# Altium PCB MLB_REV1.PcbDoc (part 2 of 3)
Units mm, origin at the board's own origin, x right, y up, seen from the top; angles counter-clockwise.
Board outline 150 x 100 mm, 2 copper layers (Top Layer, Bottom Layer); 244 components, 218 nets, 948 pads, 549 vias.
Unrouted connection lines stored in the file: 5.
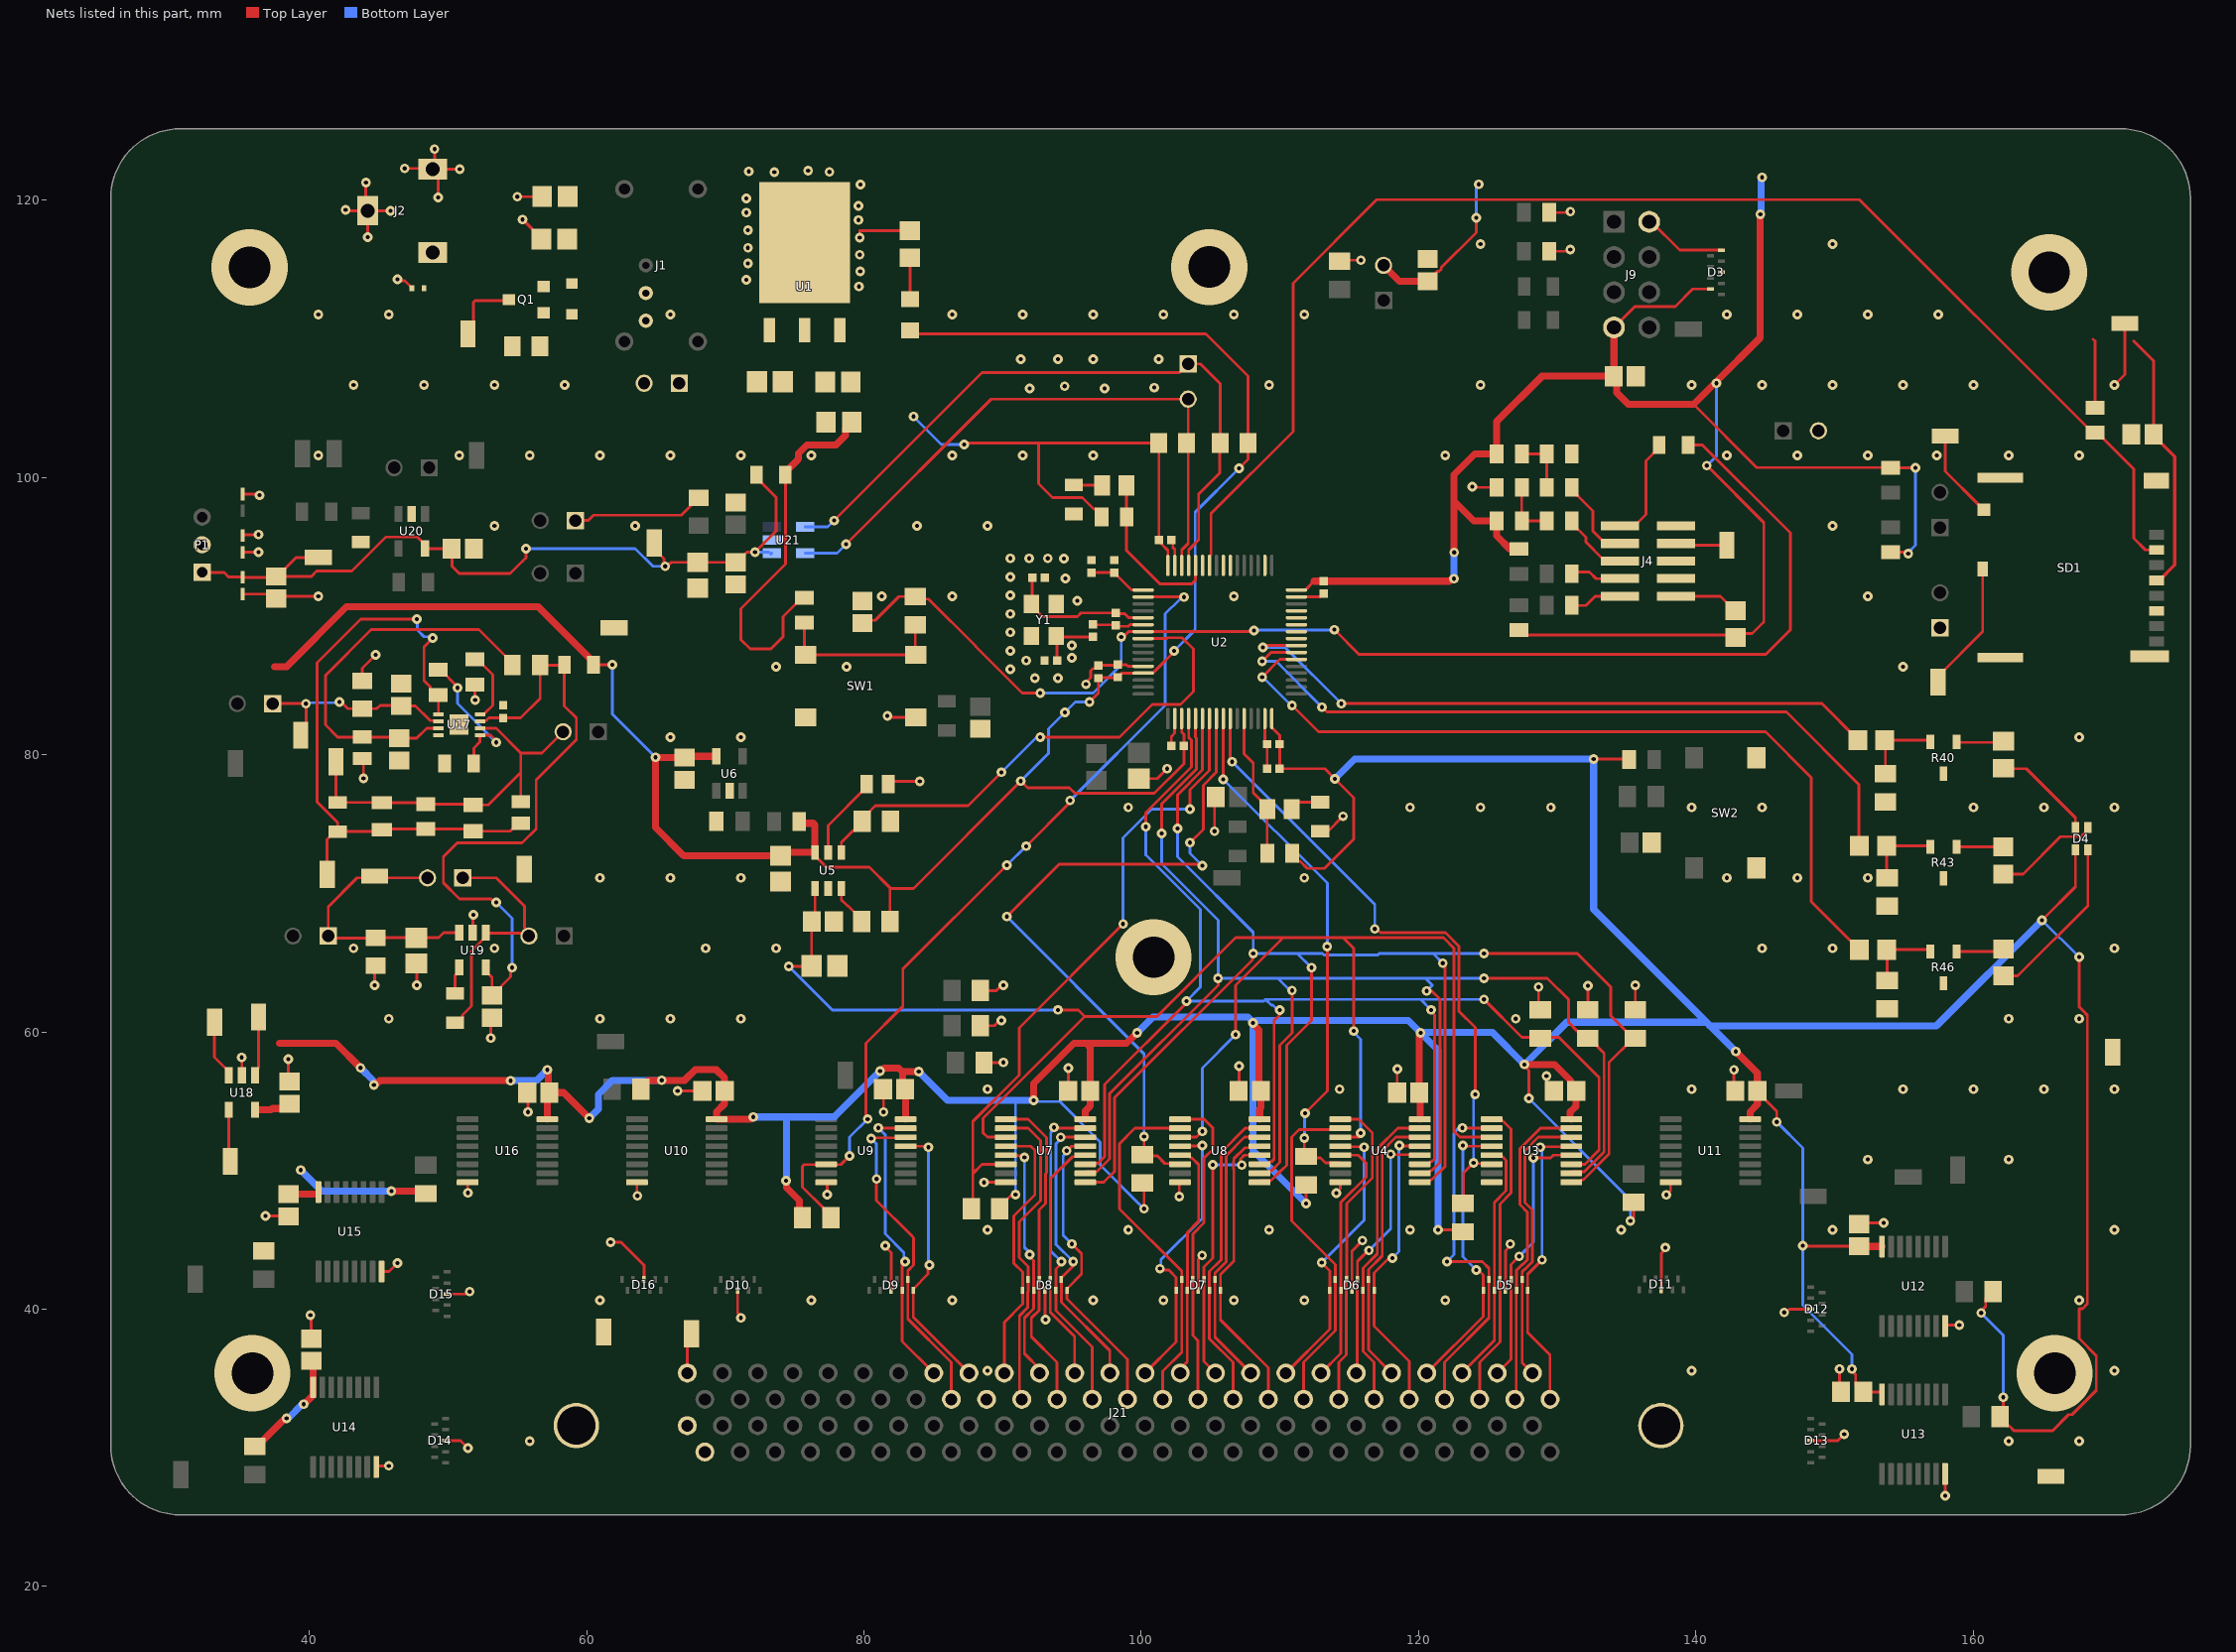
[diagram p2: the nets of this part, all layers, seen from the top]

## Via types
v1: diameter 0.7, hole 0.3, Top Layer to Bottom Layer, tented both sides, 542 vias
v2: diameter 5.5, hole 3, Top Layer to Bottom Layer, tented both sides, 6 vias
v3: diameter 0.5, hole 0.2, Top Layer to Bottom Layer, tented both sides, 1 vias

## Nets (pads, with @x,y where several pads share a name; then routed paths per layer and width w, separated by ;. In a path a pad name is that pad's centre, name@x,y a point inside that pad or via, vN(x,y) a via of type N, cw(c..) or ccw(c..) an arc to the next point about the centre after c; other vN are vias at no path point) (continued)
GND: C1.2 C2.2 C3.2 C4.2 C5.2 C6.2 C7.2 C8.2 C9.2 C10.2 C11.2 C12.2 C13.2 C14.2 C15.2 C16.2 C17.2 C18.2 C19.2 C20.2 C21.2 C22.2 C23.2 C24.2 C25.2 C26.2 C27.2 C28.2 C29.2 C30.2 C31.2 C32.2 C33.2 C34.2 C35.2 C36.2 C37.2 C38.2 C39.2 C40.1 C41.1 C42.1 C43.2 C44.2 C45.2 C46.2 C47.1 C48.2 C49.2 C50.2 C51.2 D1.2 D3.3 D3.5 D5.3 D6.3 D7.3 D8.3 D9.3 D10.3 D11.3 D12.3 D13.3 D14.3 D15.3 D16.3 D17.2 D18.1 D18.2 D19.2 J2.2 J2.3 J4.3 J4.5 J4.9 J9.2 J10.1 J21.33 J21.101 J21.102 J32.2 P1.2 R11.1 R12.2 R13.1 R14.1 R17.1 R20.1 R25.1 R29.1 R30.1 R40.3 R42.1 R43.3 R45.1 R46.3 R48.1 R51.1 R52.1 R53.1 R56.1 R58.1 R61.2 R72.1 R73.1 R74.1 R102.2 R103.1 R106.1 R107.1 R115.1 R119.1 SD1.6 SD1.11 SD1.12 SD1.13 SD1.14 SW1.3 SW1.4 SW2.3 SW2.4 TP68.1 TP70.1 TP189.1 U1.2 U1.4 U2.12 U2.18 U2.31 U2.47 U2.63 U3.8 U4.8 U5.2 U6.2 U7.8 U8.8 U9.8 U10.8 U11.8 U12.8 U13.8 U14.8 U15.8 U16.8 U17.4 U17.9 U18.2 U19.2 U20.2 U21.2 Y1.2 Y1.4 | length 166.2
  Top Layer w0.203: v1(35.117,58.165) 35.128,58.154 U18.2@35.128,56.876 ; D19.2@35.179,91.602 37.592,91.602 C42.1@37.592,91.44 ; D18.1@35.179,94.615 v1(36.322,94.615) ; D18.2@35.179,95.815 35.179,95.837 35.227,95.885 v1(36.322,95.885) ; D17.2@35.179,98.806 36.407,98.806 v1(36.407,98.727) ; v1(36.83,46.736) 38.442,46.736 C33.2@38.481,46.697 ; C42.1@37.592,91.274 C42.1@37.592,91.44 ; v1(38.481,58.039) 38.481,56.503 C47.1@38.557,56.427 ; v1(40.065,39.573) 40.132,39.505 C32.2@40.132,37.873 ; v1(40.64,91.44) C42.1@37.592,91.44 ; v1(42.611,119.315) 42.673,119.253 J2.3@44.195,119.253 ; R107.1@43.815,79.73 43.898,79.647 v1(43.898,78.296) ; R106.1@43.815,85.328 43.815,86.251 v1(44.773,87.209) ; v1(44.069,121.285) 44.069,119.379 J2.3@44.195,119.253 ; v1(44.196,117.348) J2.3@44.195,119.253 J2.3@44.195,119.253 ; v1(44.704,63.373) 44.704,64.71 R115.1@44.78,64.786 ; U14.8@44.82,28.626 44.896,28.702 v1(45.72,28.702) ; U15.8@45.201,42.723 45.75,42.723 v1(46.354,43.327) ; v1(45.847,119.253) J2.3@44.195,119.253 ; v1(46.355,114.3) 46.45,114.205 46.883,114.205 47.385,113.702 D1.2@47.385,113.665 ; v1(46.863,122.301) 48.847,122.301 J2.2@48.895,122.253 ; C50.2@47.701,64.95 47.752,64.9 v1(47.752,63.373) ; v1(49.022,123.698) 49.022,122.38 J2.2@48.895,122.253 ; v1(49.278,120.218) 49.278,121.87 J2.2@48.895,122.253 ; D14.3@49.822,30.518 50.889,30.518 v1(51.435,29.972) ; D15.3@49.911,41.097 51.25,41.097 51.428,41.275 v1(51.562,41.275) ; v1(50.841,122.255) 50.84,122.253 J2.2@48.895,122.253 ; U16.8@51.41,49.16 51.41,48.407 v1(51.429,48.388) ; U19.2@51.765,67.163 51.791,67.188 51.791,68.428 v1(51.816,68.453) ; v1(51.943,83.947) R103.1@51.943,85.079 ; v1(53.086,59.563) 53.086,60.96 C40.1@53.162,61.036 ; v1(54.991,120.269) C1.2@56.769,120.269 ; v1(55.372,118.618) 55.386,118.618 56.732,117.272 C2.2@56.732,117.221 ; C34.2@55.702,55.626 55.753,55.677 v1(55.753,54.229) ; v1(61.722,44.831) 62.474,44.831 64.135,43.17 D16.3@64.135,42.164 ; U10.8@63.622,49.16 63.622,48.205 v1(63.65,48.177) ; v1(66.548,55.753) C28.2@68.346,55.753 ; D10.3@70.883,41.354 70.883,39.741 71.12,39.504 v1(71.12,39.37) ; U9.8@77.267,49.16 77.343,49.084 v1(77.343,48.26) ; v1(79.692,117.307) 79.692,117.816 R12.2@83.312,117.816 ; C27.2@81.368,55.88 81.407,55.841 v1(81.407,54.229) ; v1(81.534,44.577) 81.534,44.503 81.96,44.077 D9.3@81.96,41.354 ; v1(81.686,82.818) 81.791,82.713 SW1.4@83.731,82.713 ; R58.1@81.745,77.882 81.943,78.08 v1(84.014,78.08) ; R73.1@88.401,60.452 89.401,60.452 89.782,60.833 v1(89.916,60.833) ; R74.1@88.401,62.992 89.528,62.992 89.909,63.373 v1(90.043,63.373) ; v1(88.646,49.149) 88.652,49.155 90.216,49.155 U7.8@90.221,49.16 ; R72.1@88.655,57.785 90.021,57.785 v1(90.043,57.807) ; D8.3@93.037,41.354 93.06,41.33 93.06,39.274 v1(93.091,39.243) ; C25.2@94.718,55.753 94.742,55.777 v1(94.742,57.404) ; v1(96.012,85.09) 96.012,85.224 96.347,85.559 96.347,86.06 96.52,86.233 96.703,86.233 C48.2@96.901,86.431 ; C48.2@96.937,86.467 98.262,86.467 C49.2@98.298,86.502 98.918,86.502 99.032,86.388 U2.12@100.139,86.388 ; C39.2@99.822,78.285 101.145,78.285 v1(101.854,78.994) ; C13.2@102.164,80.645 102.164,81.317 102.405,81.558 102.405,81.921 102.405,82.604 U2.18@102.414,82.613 ; C12.2@102.179,95.504 102.27,95.414 102.27,94.961 102.414,94.817 U2.63@102.414,93.663 ; v1(102.743,48.133) 102.743,49.109 U8.8@102.794,49.16 ; D7.3@104.114,41.354 104.114,43.61 v1(104.391,43.887) ; v1(105.285,74.494) 105.285,76.876 C38.2@105.371,76.962 ; C26.2@107.022,55.753 107.061,55.792 v1(107.061,57.531) ; U2.31@108.914,82.613 108.923,82.604 108.923,80.927 C10.2@109.078,80.772 C14.2@109.078,78.994 ; U2.47@111.189,91.388 112.922,91.388 C11.2@113.157,91.623 ; R17.1@112.903,74.481 113.457,74.481 v1(114.545,75.569) ; v1(114.075,48.385) 114.173,48.483 114.173,48.514 114.351,48.692 U4.8@114.351,49.16 ; R20.1@114.3,115.627 114.362,115.689 v1(115.837,115.689) ; D6.3@115.191,41.354 115.191,44.198 v1(115.951,44.958) ; C21.2@118.452,55.626 118.452,57.316 v1(118.463,57.327) ; v1(123.882,99.338) 123.932,99.288 R13.1@125.64,99.288 ; D5.3@126.268,41.354 126.268,44.219 126.619,44.57 v1(126.619,44.704) ; v1(128.651,63.246) 128.651,61.722 R51.1@128.778,61.595 ; v1(129.221,56.831) 129.221,56.299 C20.2@129.767,55.753 ; R30.1@129.413,116.332 130.937,116.332 v1(130.937,116.459) ; R29.1@129.413,119.126 130.951,119.126 v1(130.951,119.194) ; R52.1@132.207,61.595 132.207,63.321 v1(132.219,63.333) ; R53.1@135.636,61.595 v1(135.636,63.373) ; J9.2@136.632,118.453 136.782,118.453 138.827,116.408 D3.5@141.859,116.408 ; D11.3@137.503,41.402 137.503,44.024 137.795,44.316 v1(137.795,44.45) ; v1(137.868,48.255) 138.176,48.563 U11.8@138.176,49.16 ; v1(142.748,57.277) 142.748,55.841 C29.2@142.836,55.753 ; v1(146.365,39.764) 146.499,39.764 146.74,40.005 D12.3@148.298,40.005 ; D13.3@148.298,30.518 150.233,30.518 150.691,30.975 v1(150.702,30.975) ; v1(150.368,35.687) 150.368,34.139 C31.2@150.471,34.036 ; C30.2@151.765,46.14 151.853,46.228 v1(153.543,46.228) ; U13.8@157.977,28.118 157.983,28.113 157.983,26.549 v1(157.988,26.543) ; U12.8@157.977,38.786 158.053,38.862 v1(159.004,38.862) ; v1(170.18,106.68) 170.942,107.442 TP70.1@170.942,111.125
  other v1: 55.88,30.48 162.56,30.48 167.64,30.48 88.9,35.56 139.7,35.56 170.18,35.56 60.96,40.64 76.2,40.64 86.36,40.64 96.52,40.64 101.6,40.64 106.68,40.64 111.76,40.64 121.92,40.64 167.64,40.64 99.06,45.72 109.22,45.72 119.38,45.72 134.62,45.72 149.86,45.72 170.18,45.72 152.4,50.8 162.56,50.8 88.9,55.88 114.3,55.88 139.7,55.88 154.94,55.88 160.02,55.88 165.1,55.88 170.18,55.88 45.72,60.96 60.96,60.96 66.04,60.96 71.12,60.96 127,60.96 162.56,60.96 167.64,60.96 43.18,66.04 53.34,66.04 68.58,66.04 73.66,66.04 144.78,66.04 149.86,66.04 170.18,66.04 60.96,71.12 66.04,71.12 71.12,71.12 111.76,71.12 142.24,71.12 147.32,71.12 152.4,71.12 99.06,76.2 119.38,76.2 124.46,76.2 129.54,76.2 139.7,76.2 144.78,76.2 160.02,76.2 165.1,76.2 170.18,76.2 66.04,81.28 71.12,81.28 167.64,81.28 92.329,85.534 93.98,85.534 90.551,86.169 73.66,86.36 78.74,86.36 154.94,86.36 91.694,86.804 94.996,86.995 90.551,87.503 94.996,87.884 90.551,88.837 90.551,90.17 95.377,91.123 81.28,91.44 86.36,91.44 106.68,91.44 152.4,91.44 90.551,91.504 94.524,92.714 90.551,92.837 94.417,94.156 90.551,94.17 91.906,94.17 93.26,94.17 53.34,96.52 63.5,96.52 83.82,96.52 88.9,96.52 149.86,96.52 40.64,101.6 50.8,101.6 55.88,101.6 60.96,101.6 66.04,101.6 71.12,101.6 76.2,101.6 86.36,101.6 91.44,101.6 96.52,101.6 121.92,101.6 142.24,101.6 147.32,101.6 152.4,101.6 157.384,101.6 162.56,101.6 167.64,101.6 91.948,106.426 97.36,106.424 100.927,106.494 94.47,106.587 43.18,106.68 48.26,106.68 53.34,106.68 58.42,106.68 109.22,106.68 124.46,106.68 139.7,106.68 144.78,106.68 149.86,106.68 154.94,106.68 160.02,106.68 91.313,108.554 93.98,108.554 96.521,108.554 101.254,108.554 40.64,111.76 45.72,111.76 66.04,111.76 86.36,111.76 91.44,111.76 96.52,111.76 101.6,111.76 106.68,111.76 111.76,111.76 142.24,111.76 147.32,111.76 152.4,111.76 157.48,111.76 79.629,113.792 71.505,114.277 79.721,114.889 71.628,115.443 79.692,116.083 71.628,116.586 124.46,116.84 149.86,116.84 71.628,117.856 79.604,118.589 71.501,119.126 79.604,119.608 71.501,120.142 79.75,121.153 73.533,122.047 77.507,122.056 71.68,122.085 75.963,122.143
  other v2: 35.882,35.395 165.882,35.395 100.882,65.395 165.481,114.808 35.671,115.166 104.902,115.189
  other v3: 50.8,82.169
GPIO_RGB_B: R47.1 U2.38 | length 59.5
  Top Layer w0.203: v1(108.712,85.598) 109.993,86.879 111.18,86.879 U2.38@111.189,86.888 ; v1(110.871,83.566) 112.776,81.661 145.021,81.661 148.33,78.352 148.33,69.409 151.168,66.57 151.222,66.57 151.798,65.995 R47.1@151.798,65.941
  Bottom Layer w0.203: v1(108.712,85.598) 108.775,85.598 110.807,83.566 v1(110.871,83.566)
GPIO_RGB_G: R44.1 U2.39 | length 53.9
  Top Layer w0.203: v1(108.712,86.741) 109.359,87.388 U2.39@111.189,87.388 ; v1(113.03,83.439) 113.38,83.089 146.53,83.089 151.765,77.854 151.765,73.467 R44.1@151.798,73.434
  Bottom Layer w0.203: v1(108.712,86.741) 109.728,86.741 v1(113.03,83.439)
GPIO_RGB_R: R41.1 U2.40 | length 48.2
  Top Layer w0.203: v1(108.779,87.757) 108.846,87.757 108.977,87.888 U2.40@111.189,87.888 ; v1(114.427,83.693) 149.086,83.693 151.671,81.108 R41.1@151.671,81.054
  Bottom Layer w0.203: v1(108.779,87.757) 110.363,87.757 v1(114.427,83.693)
I2C_SCL: J29.2 R67.2 U2.62 U21.5 | length 44.5
  Top Layer w0.203: v1(78.709,95.2) 89.173,105.664 J29.2@103.378,105.664 103.378,102.743 103.378,102.616 R67.2@103.251,102.489 103.378,102.362 103.378,95.25 102.914,94.786 U2.62@102.914,93.663
  Bottom Layer w0.203: U21.5@75.749,94.554 78.063,94.554 v1(78.709,95.2)
I2C_SDA: J29.1 R66.2 U2.61 U21.4 | length 49.5
  Top Layer w0.203: v1(77.851,96.901) 88.519,107.569 102.743,107.569 J29.1@103.378,108.204 104.267,108.204 105.696,106.775 R66.2@105.696,102.489 105.664,102.457 105.664,100.33 104.14,98.806 104.14,95.509 103.414,94.783 U2.61@103.414,93.663
  Bottom Layer w0.203: U21.4@75.749,96.454 77.372,96.454 77.819,96.901 v1(77.851,96.901)
IDC_PIN_50: J21.50 TP69.1 | length 3
  Top Layer w0.203: J21.50@67.251,35.4 67.251,37.914 TP69.1@67.564,38.227
IDC_PIN_99: J21.99 TP177.1
IDC_PIN_100: J21.100
JTAG_RST_N: J4.10 R10.2 | length 7.6
  Top Layer w0.203: J4.10@134.527,96.52 135.587,96.52 136.398,97.331 136.398,101.214 137.346,102.162 R10.2@137.346,102.362
JTAG_TDI: R4.1 R9.2 R14.2 | length 4.2
  Top Layer w0.203: R4.1@127.44,101.701 R14.2@129.25,101.701 R9.2@129.25,99.288
JTAG_TDO: R3.1 R8.2 R13.2 | length 4.2
  Top Layer w0.203: R13.2@127.44,99.288 R3.1@127.44,96.875 R8.2@129.25,96.875
LS_FLG: R59.2 U5.3 | length 3
  Top Layer w0.203: U5.3@78.363,70.359 78.363,69.529 78.803,69.089 78.854,69.089 79.817,68.126 R59.2@79.817,67.976
MCU_BOOT0: R21.1 R22.2 U2.60 | length 11.9
  Top Layer w0.203: R22.2@98.919,99.441 98.919,97.18 R21.1@98.944,97.155 98.933,97.144 98.933,94.742 101.346,92.329 103.632,92.329 103.905,92.602 103.905,93.654 U2.60@103.914,93.663
MCU_BOOT1: R15.1 R16.2 U2.28 | length 10.4
  Top Layer w0.203: U2.28@107.414,82.613 107.414,80.073 108.077,79.41 108.077,77.253 109.107,76.223 R16.2@109.107,76.073 109.071,76.037 109.071,72.909 R15.1@109.082,72.898
MCU_NRST: C15.1 R10.1 R24.2 U2.7 | length 92.1
  Top Layer w0.203: C15.1@79.883,89.496 80.085,89.698 80.797,89.698 82.511,91.413 R24.2@83.693,91.413 83.865,91.241 84.654,91.241 88.045,87.85 88.045,87.822 91.411,84.455 v1(92.71,84.455) ; v1(98.556,88.492) 98.69,88.492 99.086,88.888 U2.7@100.139,88.888 100.148,88.897 108.074,88.897 v1(108.135,88.958) ; v1(113.919,89.027) 115.697,87.249 145.042,87.249 146.812,89.019 146.812,96.012 140.462,102.362 R10.1@139.446,102.362
  Bottom Layer w0.203: v1(92.71,84.455) 96.52,84.455 98.556,86.491 v1(98.556,88.492) ; v1(108.135,88.958) 108.169,88.992 113.884,88.992 v1(113.919,89.027)
MCU_PA8: U2.41
MCU_PA9: U2.42
MCU_PA10: U2.43
MCU_PA11: U2.44
MCU_PA12: U2.45
MCU_PA15: U2.50
MCU_PB3: U2.55
MCU_PB4: U2.56
MCU_PB7: U2.59
MCU_PH0_OSC_IN: C6.1 R19.2 U2.5 Y1.3 | length 10.7
  Top Layer w0.203: C6.1@92.131,92.773 92.131,90.942 Y1.3@92.064,90.876 92.064,90.775 92.868,89.972 95.385,89.972 95.654,90.241 R19.2@98.171,90.241 98.234,90.178 98.298,90.178 98.798,90.178 99.088,89.888 U2.5@100.139,89.888
MCU_PH1_OSC_OUT: R18.1 R19.1 U2.6 | length 3.7
  Top Layer w0.203: R18.1@96.52,89.416 96.559,89.376 98.132,89.376 R19.1@98.171,89.337 98.234,89.273 99.052,89.273 99.167,89.388 U2.6@100.139,89.388
NetC9_1: C9.1 R18.2 Y1.1 | length 4.4
  Top Layer w0.203: Y1.1@93.864,88.575 Y1.1@93.924,88.515 ; C9.1@93.924,86.804 Y1.1@93.924,88.515 ; R18.2@96.52,88.511 93.928,88.511 Y1.1@93.924,88.515
NetD2_2: D2.2 Q1.1 R11.2
NetD4_1: D4.1 R37.1 | length 7.4
  Top Layer w0.203: R37.1@162.179,79.035 162.22,78.994 163.838,78.994 167.375,75.457 D4.1@167.375,74.752
NetD4_2: D4.2 R35.1 | length 7.6
  Top Layer w0.203: R35.1@162.172,71.402 163.604,71.402 166.3,74.098 167.755,74.098 168.102,74.444 168.102,74.579 D4.2@168.275,74.752
NetD4_3: D4.3 R36.1 | length 12.2
  Top Layer w0.203: R36.1@162.179,64.048 163.215,64.048 168.275,69.108 D4.3@168.275,73.152
NetDS1_2: DS1.2 R12.1 | length 3.1
  Top Layer w0.203: DS1.2@83.33,112.863 83.33,115.842 R12.1@83.457,115.842
NetJ4_1: J4.1 R5.2 | length 4.7
  Top Layer w0.203: J4.1@138.557,91.44 141.776,91.44 R5.2@142.807,90.409
NetJ4_2: J4.2 R6.1 | length 3.8
  Top Layer w0.203: R6.1@131.05,90.779 132.066,90.779 132.728,91.44 J4.2@134.527,91.44
NetJ4_4: J4.4 R7.1 | length 3.7
  Top Layer w0.203: R7.1@131.05,93.065 131.177,93.192 132.32,93.192 132.802,92.71 J4.4@134.527,92.71
NetJ4_6: J4.6 R8.1 | length 5
  Top Layer w0.203: R8.1@131.05,96.875 131.05,96.7 132.066,95.684 132.066,95.351 133.213,94.203 134.304,94.203 J4.6@134.527,93.98
NetJ4_7: J4.7 TP5.1 | length 3.7
  Top Layer w0.203: J4.7@138.557,95.25 138.684,95.123 TP5.1@142.24,95.123
NetJ4_8: J4.8 R9.1 | length 6.1
  Top Layer w0.203: R9.1@131.05,99.288 131.05,99.113 131.987,98.175 132.574,97.589 132.574,96.143 133.467,95.25 J4.8@134.527,95.25
NetJ27_1: J27.1 R64.2 | length 9.6
  Top Layer w0.203: J27.1@59.182,96.901 60.107,96.901 60.488,97.282 66.818,97.282 R64.2@68.072,98.536
NetR16_1: R16.1 R17.2 | length 3.3
  Top Layer w0.203: R16.1@110.857,76.073 R16.1@110.984,75.946 ; R16.1@111.047,76.01 R16.1@110.984,75.946 ; R17.2@112.903,76.581 R16.1@111.111,76.581 ; R16.1@110.984,75.946 R16.1@111.111,76.073 ; R16.1@111.111,76.073 R16.1@111.111,76.581 ; R16.1@111.111,76.073 R16.1@111.111,76.581
NetR22_1: R22.1 R25.2 | length 2.1
  Top Layer w0.203: R25.2@95.123,99.475 95.157,99.441 R22.1@97.169,99.441
NetR23_1: R23.1 R24.1 SW1.1 SW1.2 | length 12.4
  Top Layer w0.203: R23.1@75.692,89.524 75.692,87.302 SW1.1@75.781,87.213 SW1.2@83.655,87.213 ; R24.1@83.693,89.363 SW1.2@83.693,87.251 ; SW1.2@83.655,87.213 SW1.2@83.693,87.251 ; SW1.2@83.655,87.213 SW1.2@83.693,87.251
NetR35_2: R35.2 R43.1 | length 3.4
  Top Layer w0.203: R43.1@158.804,73.37 162.155,73.37 R35.2@162.172,73.354
NetR36_2: R36.2 R46.1 | length 3.9
  Top Layer w0.203: R46.1@158.804,65.814 R36.2@161.871,65.814 ; R36.2@161.871,65.814 162.172,66.115 162.118,66.061 R36.2@161.871,65.814
NetR37_2: R37.2 R40.1 | length 3.4
  Top Layer w0.203: R40.1@158.804,80.927 158.832,80.899 162.093,80.899 R37.2@162.179,80.985
NetR58_2: R58.2 U5.5 | length 6.1
  Top Layer w0.203: U5.5@77.413,72.959 77.413,74.9 80.193,77.68 R58.2@80.193,77.882
NetSD1_9: SD1.9 TP45.1 | length 9.5
  Top Layer w0.203: TP45.1@157.477,85.252 157.477,85.677 160.688,88.888 SD1.9@160.688,93.406
NetSD1_10: SD1.10 TP46.1 | length 6.5
  Top Layer w0.203: TP46.1@157.988,102.997 157.988,100.446 160.4,98.034 160.4,98.019 160.748,97.671 SD1.10@160.763,97.671
OPAMP_IN+: TP169.1 U18.3 | length 4.3
  Top Layer w0.203: TP169.1@33.147,60.706 33.147,58.182 34.178,57.151 U18.3@34.178,56.876
OPAMP_IN-: TP171.1 U18.4 | length 3.7
  Top Layer w0.203: U18.4@34.178,54.376 34.178,50.785 TP171.1@34.29,50.673
OPAMP_OUT: TP170.1 U18.1 | length 4.3
  Top Layer w0.203: U18.1@36.078,56.876 36.078,57.151 36.322,57.395 TP170.1@36.322,61.087
PP3V3: C4.1 C5.1 C10.1 C11.1 C12.1 C13.1 C14.1 C16.1 C17.1 C19.1 C20.1 C21.1 C22.1 C25.1 C26.1 C27.1 C28.1 C29.1 C30.1 C31.1 C32.1 C33.1 C34.1 C46.1 C47.2 C48.1 C49.1 D3.9 D4.4 DS1.1 J9.7 J30.2 R1.2 R2.2 R3.2 R4.2 R5.1 R15.2 R21.2 R23.2 R26.2 R27.2 R28.2 R31.2 R49.2 R50.2 R54.2 R59.1 R60.2 R62.2 R63.2 R65.2 R66.1 R67.1 R70.2 R71.2 R78.2 R79.2 R86.2 R87.2 R94.2 R95.2 SD1.4 U1.3 U2.13 U2.19 U2.32 U2.48 U2.64 U3.16 U4.16 U5.6 U6.5 U7.16 U8.16 U9.16 U10.16 U11.16 U12.16 U13.16 U14.16 U15.16 U16.16 U18.5 | length 855.5
  Top Layer w0.203: R60.2@60.486,86.487 v1(61.849,86.487) ; R65.2@74.329,100.203 74.329,93.76 71.12,90.551 71.12,88.3 71.79,87.63 73.279,87.63 74.168,88.519 74.168,89.975 75.119,90.926 75.517,91.324 R23.2@75.692,91.324 ; U5.6@76.463,72.959 76.463,72.709 77.29,71.882 80.391,71.882 81.867,70.406 R59.1@81.867,67.976 ; 81.867,70.358 83.566,70.358 v1(91.313,78.105) 91.806,77.612 94.819,77.612 95.217,77.214 100.928,77.214 103.068,79.354 C13.1@103.068,80.645 103.068,81.463 102.914,81.617 U2.19@102.914,82.613 ; DS1.1@83.312,110.363 104.648,110.363 107.696,107.315 R66.1@107.696,102.489 107.696,101.308 v1(107.061,100.673) ; v1(87.223,102.395) 87.317,102.489 92.71,102.489 ; R62.2@89.798,47.244 89.798,47.394 90.664,48.26 v1(90.932,48.26) ; v1(96.266,83.82) 96.901,84.455 C48.1@96.901,85.527 96.937,85.562 98.262,85.562 C49.1@98.298,85.598 98.588,85.888 U2.13@100.139,85.888 100.802,85.888 100.923,86.009 100.946,86.009 102.362,87.425 v1(102.362,87.492) ; R21.2@97.144,97.155 97.144,97.33 96.746,97.728 96.571,97.728 95.747,98.552 93.599,98.552 92.583,99.568 92.583,102.362 92.71,102.489 ; R63.2@100.076,49.104 100.203,48.977 v1(100.203,47.244) ; U2.64@101.914,93.663 101.914,94.743 101.473,95.184 101.473,95.306 C12.1@101.275,95.504 101.275,102.465 R67.1@101.251,102.489 92.71,102.489 ; U2.32@109.414,82.613 109.429,82.598 109.429,81.948 109.982,81.395 C10.1@109.982,80.772 C14.1@109.982,78.994 113.232,78.994 v1(113.956,78.269) 115.316,76.91 115.316,73.914 113.203,71.801 111.979,71.801 111.455,72.325 111.28,72.325 110.882,72.723 R15.2@110.882,72.898 ; U2.48@111.189,91.888 111.827,91.888 112.466,92.527 ; R50.2@111.887,48.977 111.887,47.627 v1(111.892,47.622) ; C19.1@120.65,114.173 121.345,114.868 121.483,114.868 121.632,115.017 121.632,115.155 124.159,117.682 v1(124.159,118.745) ; v1(121.412,45.72) 123.054,45.72 R49.2@123.19,45.584 ; R1.2@127.24,88.99 127.584,88.646 142.673,88.646 R5.1@142.861,88.457 143.153,88.749 144.059,88.749 144.788,89.478 144.907,89.597 144.907,96.748 v1(140.792,100.863) ; v1(127.642,57.658) 127.642,57.523 127.95,57.216 v1(127.95,55.206) ; v1(132.623,79.693) 135.159,79.693 R31.2@135.192,79.66 ; J9.7@134.092,110.833 135.593,112.334 138.503,112.334 139.777,113.608 D3.9@141.059,113.608 ; v1(135.271,46.372) 135.509,46.611 R78.2@135.509,47.707 ; 139.827,105.283 144.388,100.722 R27.2@154.051,100.722 154.062,100.711 v1(155.829,100.711) ; C29.1@144.438,55.753 144.438,55.677 145.829,54.286 v1(145.829,53.512) ; v1(147.705,44.587) 147.754,44.538 C30.1@151.765,44.538 ; v1(151.257,35.687) 151.257,35.553 151.522,35.287 151.522,34.587 C31.1@152.073,34.036 153.324,34.036 153.427,33.933 U13.16@153.427,33.858 ; R28.2@154.051,94.615 155.216,94.615 v1(155.316,94.514) ; v1(160.574,39.732) 160.574,39.867 160.903,40.196 160.903,40.752 R79.2@161.426,41.275 ; v1(162.179,33.655) 162.179,32.258 R86.2@161.925,32.258 161.925,32.108 162.448,31.585 162.598,31.585 162.941,31.242 165.735,31.242 166.884,32.391 167.127,32.391 168.886,34.15 168.886,36.639 167.64,37.885 167.64,40.036 167.89,40.036 168.244,40.39 168.244,61.21 167.89,61.564 167.64,61.814 v1(167.64,65.405) ; v1(164.973,68.072) 167.375,70.474 D4.4@167.375,73.152 ; 168.656,109.982 168.783,109.855 R26.2@168.783,105.04 ; 171.577,109.855 173.013,108.419 C16.1@173.013,103.124
  Top Layer w0.254: C16.1@173.013,103.124 173.405,102.732 173.405,102.656 174.544,101.517 174.544,93.697 173.428,92.581 SD1.4@173.228,92.581
  Top Layer w0.508: R87.2@36.068,30.108 36.218,30.108 38.241,32.131 v1(38.354,32.131) ; U18.5@36.078,54.376 37.231,54.376 37.338,54.483 38.215,54.483 C47.2@38.557,54.825 ; 37.465,86.36 38.354,86.36 42.672,90.678 56.495,90.678 60.486,86.687 R60.2@60.486,86.487 ; 37.846,59.182 41.914,59.182 v1(43.686,57.41) ; C33.1@38.481,48.299 40.548,48.299 40.651,48.402 U15.16@40.651,48.463 ; v1(39.593,33.147) 39.631,33.147 40.27,33.786 U14.16@40.27,34.366 C32.1@40.27,36.483 ; v1(44.641,56.19) 44.693,56.19 44.789,56.286 44.872,56.286 45.076,56.49 v1(54.508,56.49) ; v1(45.908,48.514) 48.215,48.514 R95.2@48.387,48.342 ; U16.16@57.15,53.71 57.15,55.472 C34.1@57.227,55.549 ; v1(57.15,57.277) 57.15,57.225 57.227,57.148 C34.1@57.227,55.549 ; C34.1@57.227,55.473 C34.1@57.227,55.549 ; v1(60.18,53.786) 58.34,55.626 C34.1@57.304,55.626 C34.1@57.227,55.549 ; R71.2@63.89,55.88 63.89,55.992 64.413,56.515 v1(65.405,56.515) 67.06,56.515 67.822,57.277 69.342,57.277 69.948,56.671 C28.1@69.948,55.753 69.948,54.835 69.362,54.249 U10.16@69.362,53.71 71.842,53.71 v1(72.004,53.872) ; U6.5@69.351,79.894 67.155,79.894 C46.1@67.056,79.795 64.983,79.795 v1(64.955,79.823) 64.955,74.745 66.988,72.712 C22.1@73.984,72.712 74.231,72.959 U5.6@76.463,72.959 76.463,74.938 76.344,75.057 75.449,75.057 R54.2@75.322,75.184 ; R65.2@74.329,100.203 74.329,100.403 75.263,101.337 75.263,101.733 75.887,102.356 77.972,102.356 78.667,103.051 78.667,103.542 C4.1@79.116,103.991 ; v1(74.375,49.271) 74.411,49.234 74.411,48.779 75.342,47.848 75.342,46.823 R70.2@75.556,46.609 ; v1(81.153,57.181) 81.205,57.181 81.428,57.404 82.5,57.404 82.754,57.15 ; U9.16@83.007,53.71 83.007,55.919 82.797,56.128 82.797,57.106 82.754,57.15 ; v1(83.947,57.15) 82.754,57.15 ; v1(92.226,55.071) 92.226,56.285 95.123,59.182 96.022,59.182 ; U7.16@95.961,53.71 95.961,54.305 96.32,54.664 C25.1@96.32,55.753 96.32,58.884 96.022,59.182 ; v1(99.695,59.944) 98.933,59.182 96.022,59.182 ; v1(108.055,60.653) 108.055,60.601 108.495,60.161 108.495,55.882 C26.1@108.624,55.753 108.624,54.522 108.534,54.432 U8.16@108.534,53.71 ; 112.466,92.527 C11.1@113.157,92.527 122.238,92.527 122.421,92.71 v1(122.555,92.71) ; J30.2@117.475,115.316 118.618,114.173 C19.1@120.65,114.173 ; U4.16@120.091,53.71 120.13,53.749 120.13,55.55 C21.1@120.054,55.626 120.054,59.804 120.142,59.892 v1(120.142,59.944) ; v1(122.573,94.604) 122.555,94.622 122.555,98.298 ; R2.2@127.24,94.854 126.582,94.854 125.64,95.795 R3.2@125.64,96.875 123.978,96.875 122.555,98.298 ; v1(127.642,57.658) 129.818,57.658 130.97,56.505 130.97,56.151 C20.1@131.369,55.753 131.369,54.661 131.064,54.356 131.056,54.356 130.937,54.237 130.937,53.786 U3.16@131.013,53.71 ; J9.7@134.092,110.833 134.092,107.334 C17.1@134.073,107.315 ; v1(142.874,58.598) 144.438,57.035 C29.1@144.438,55.753 ; U11.16@143.916,53.71 143.916,54.254 144.438,54.776 C29.1@144.438,55.677 ; v1(144.653,118.999) 144.646,118.992 144.646,110.102 141.415,106.87 139.827,105.283 135.128,105.283 134.289,106.122 134.289,107.1 C17.1@134.073,107.315 ; C30.1@151.765,44.538 151.777,44.526 U12.16@153.427,44.526 ; 122.555,98.298 122.555,100.203 124.053,101.701 R4.2@125.64,101.701 125.64,104.05 128.905,107.315 C17.1@134.073,107.315